# KiCad board Ultrasonic Sound Steering - Control Rev. A.kicad_pcb
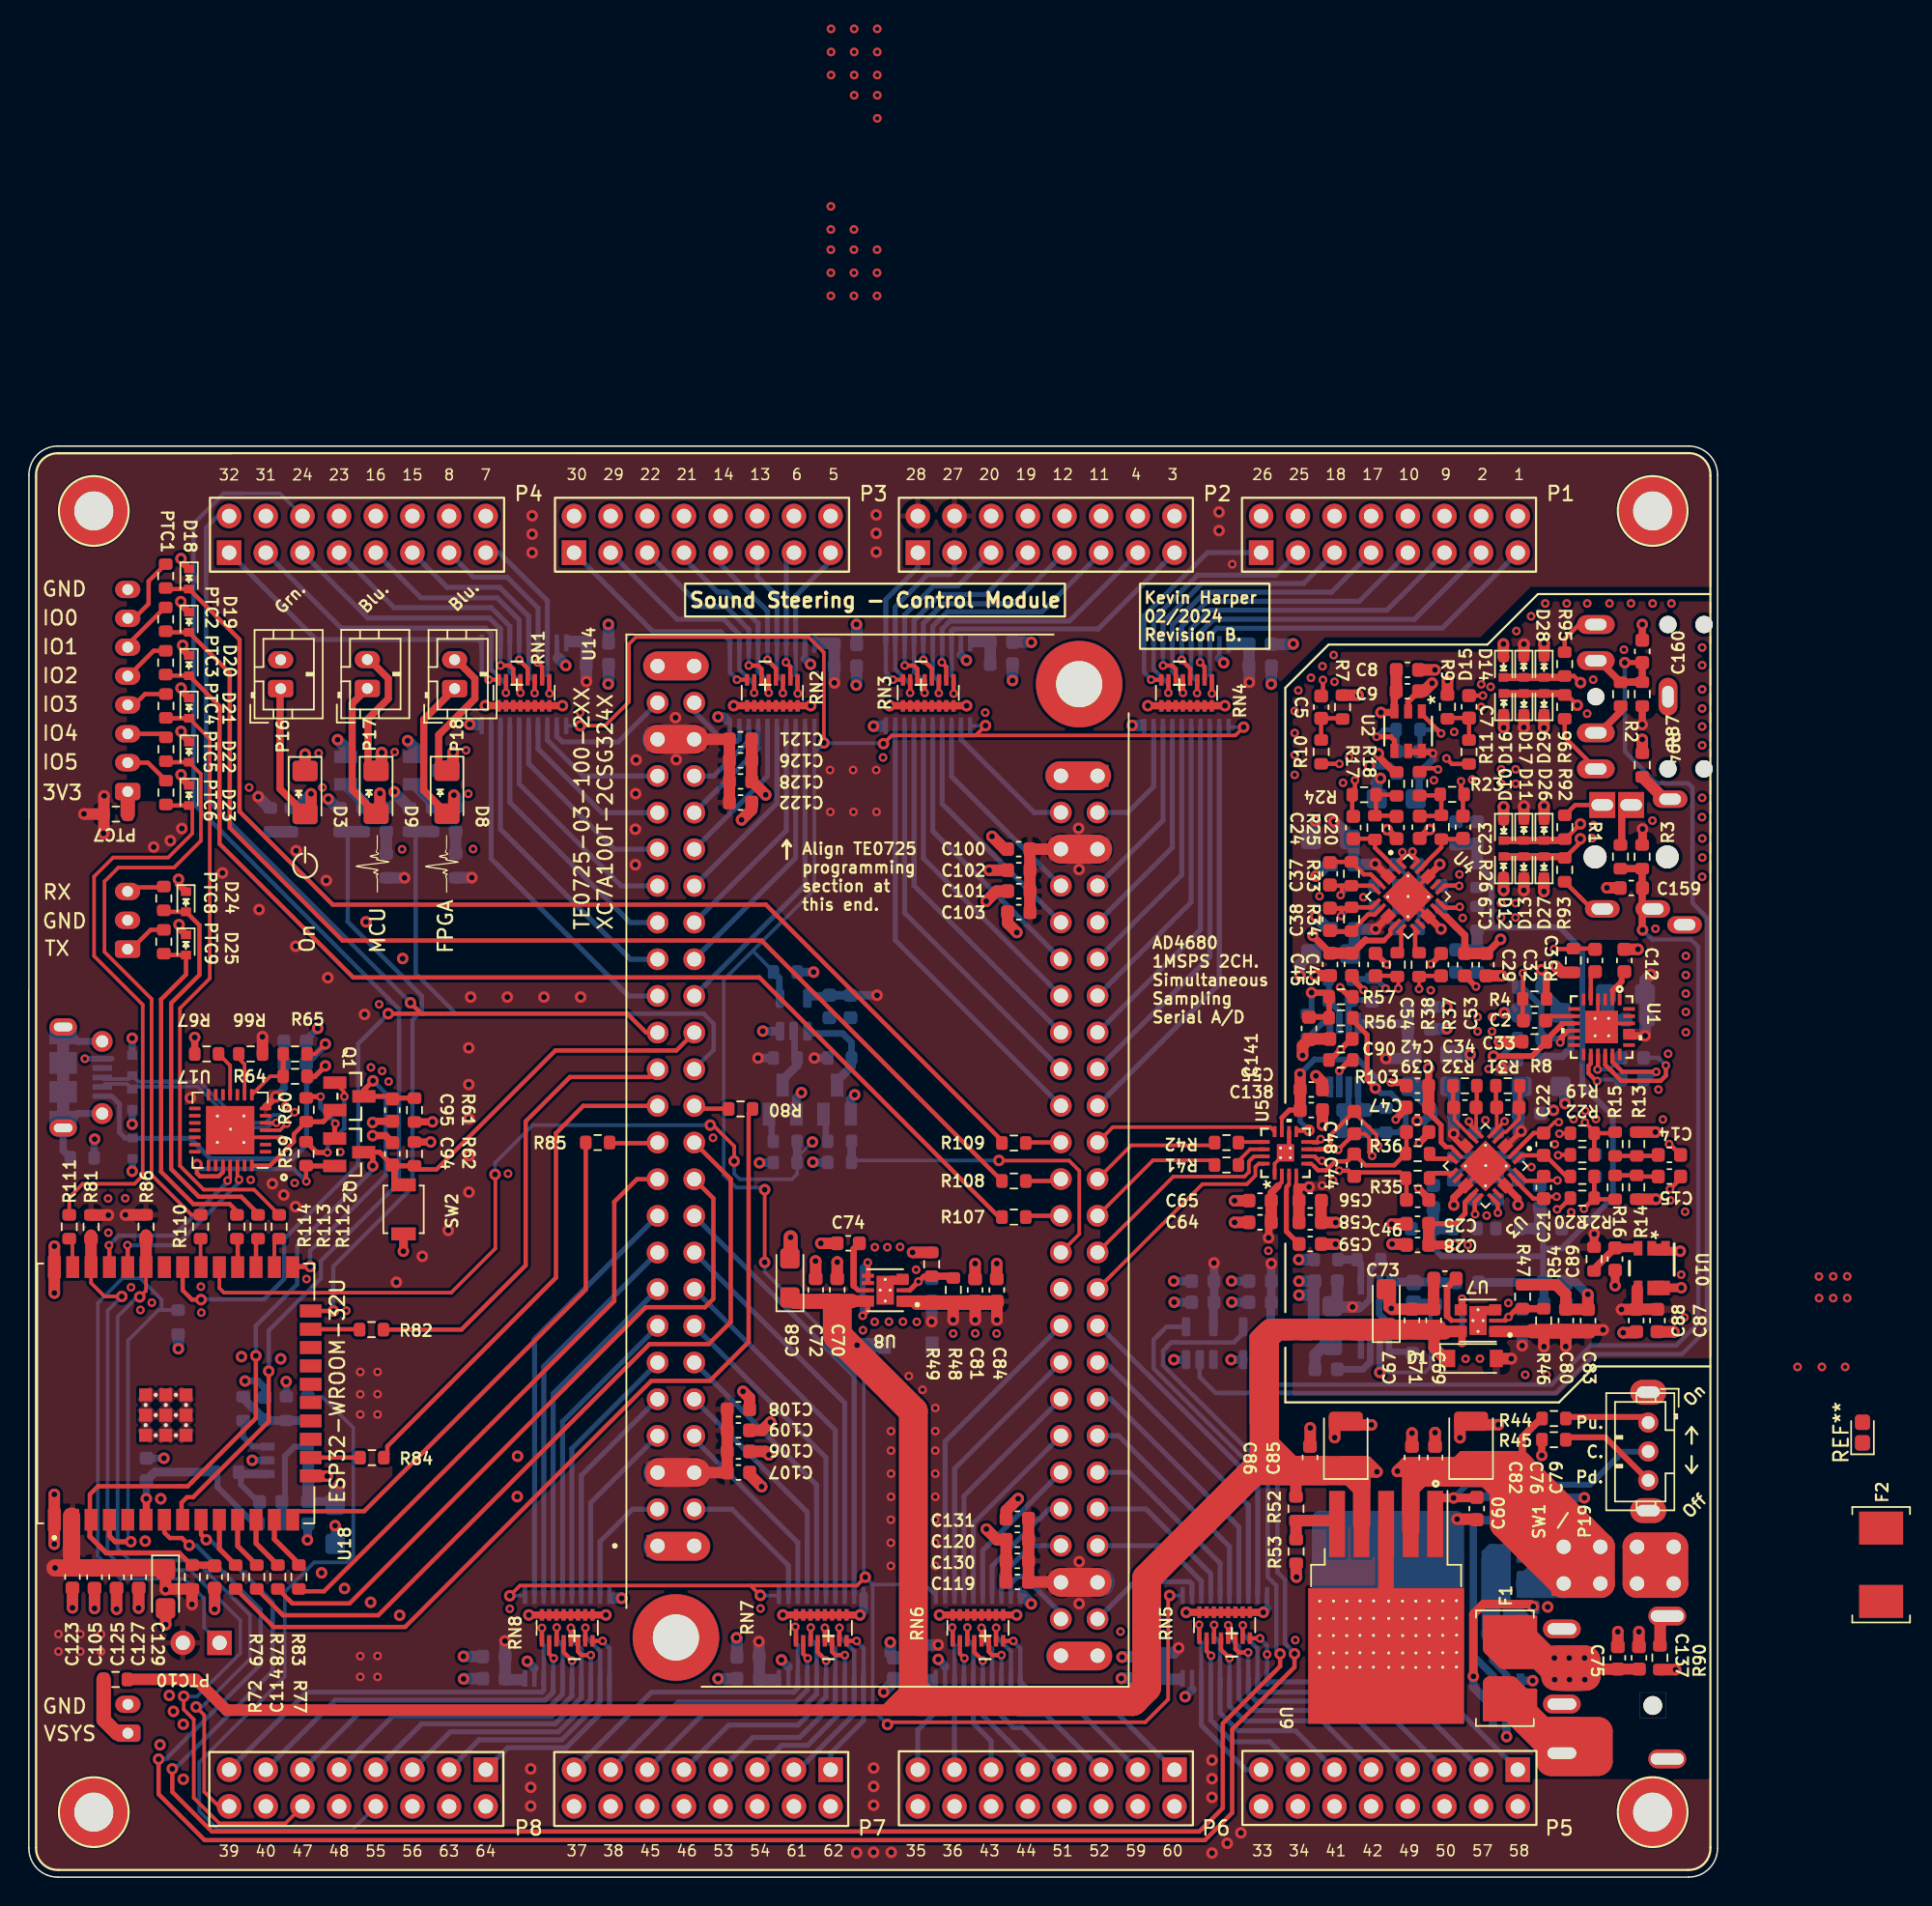
[diagram p0: board, top side]
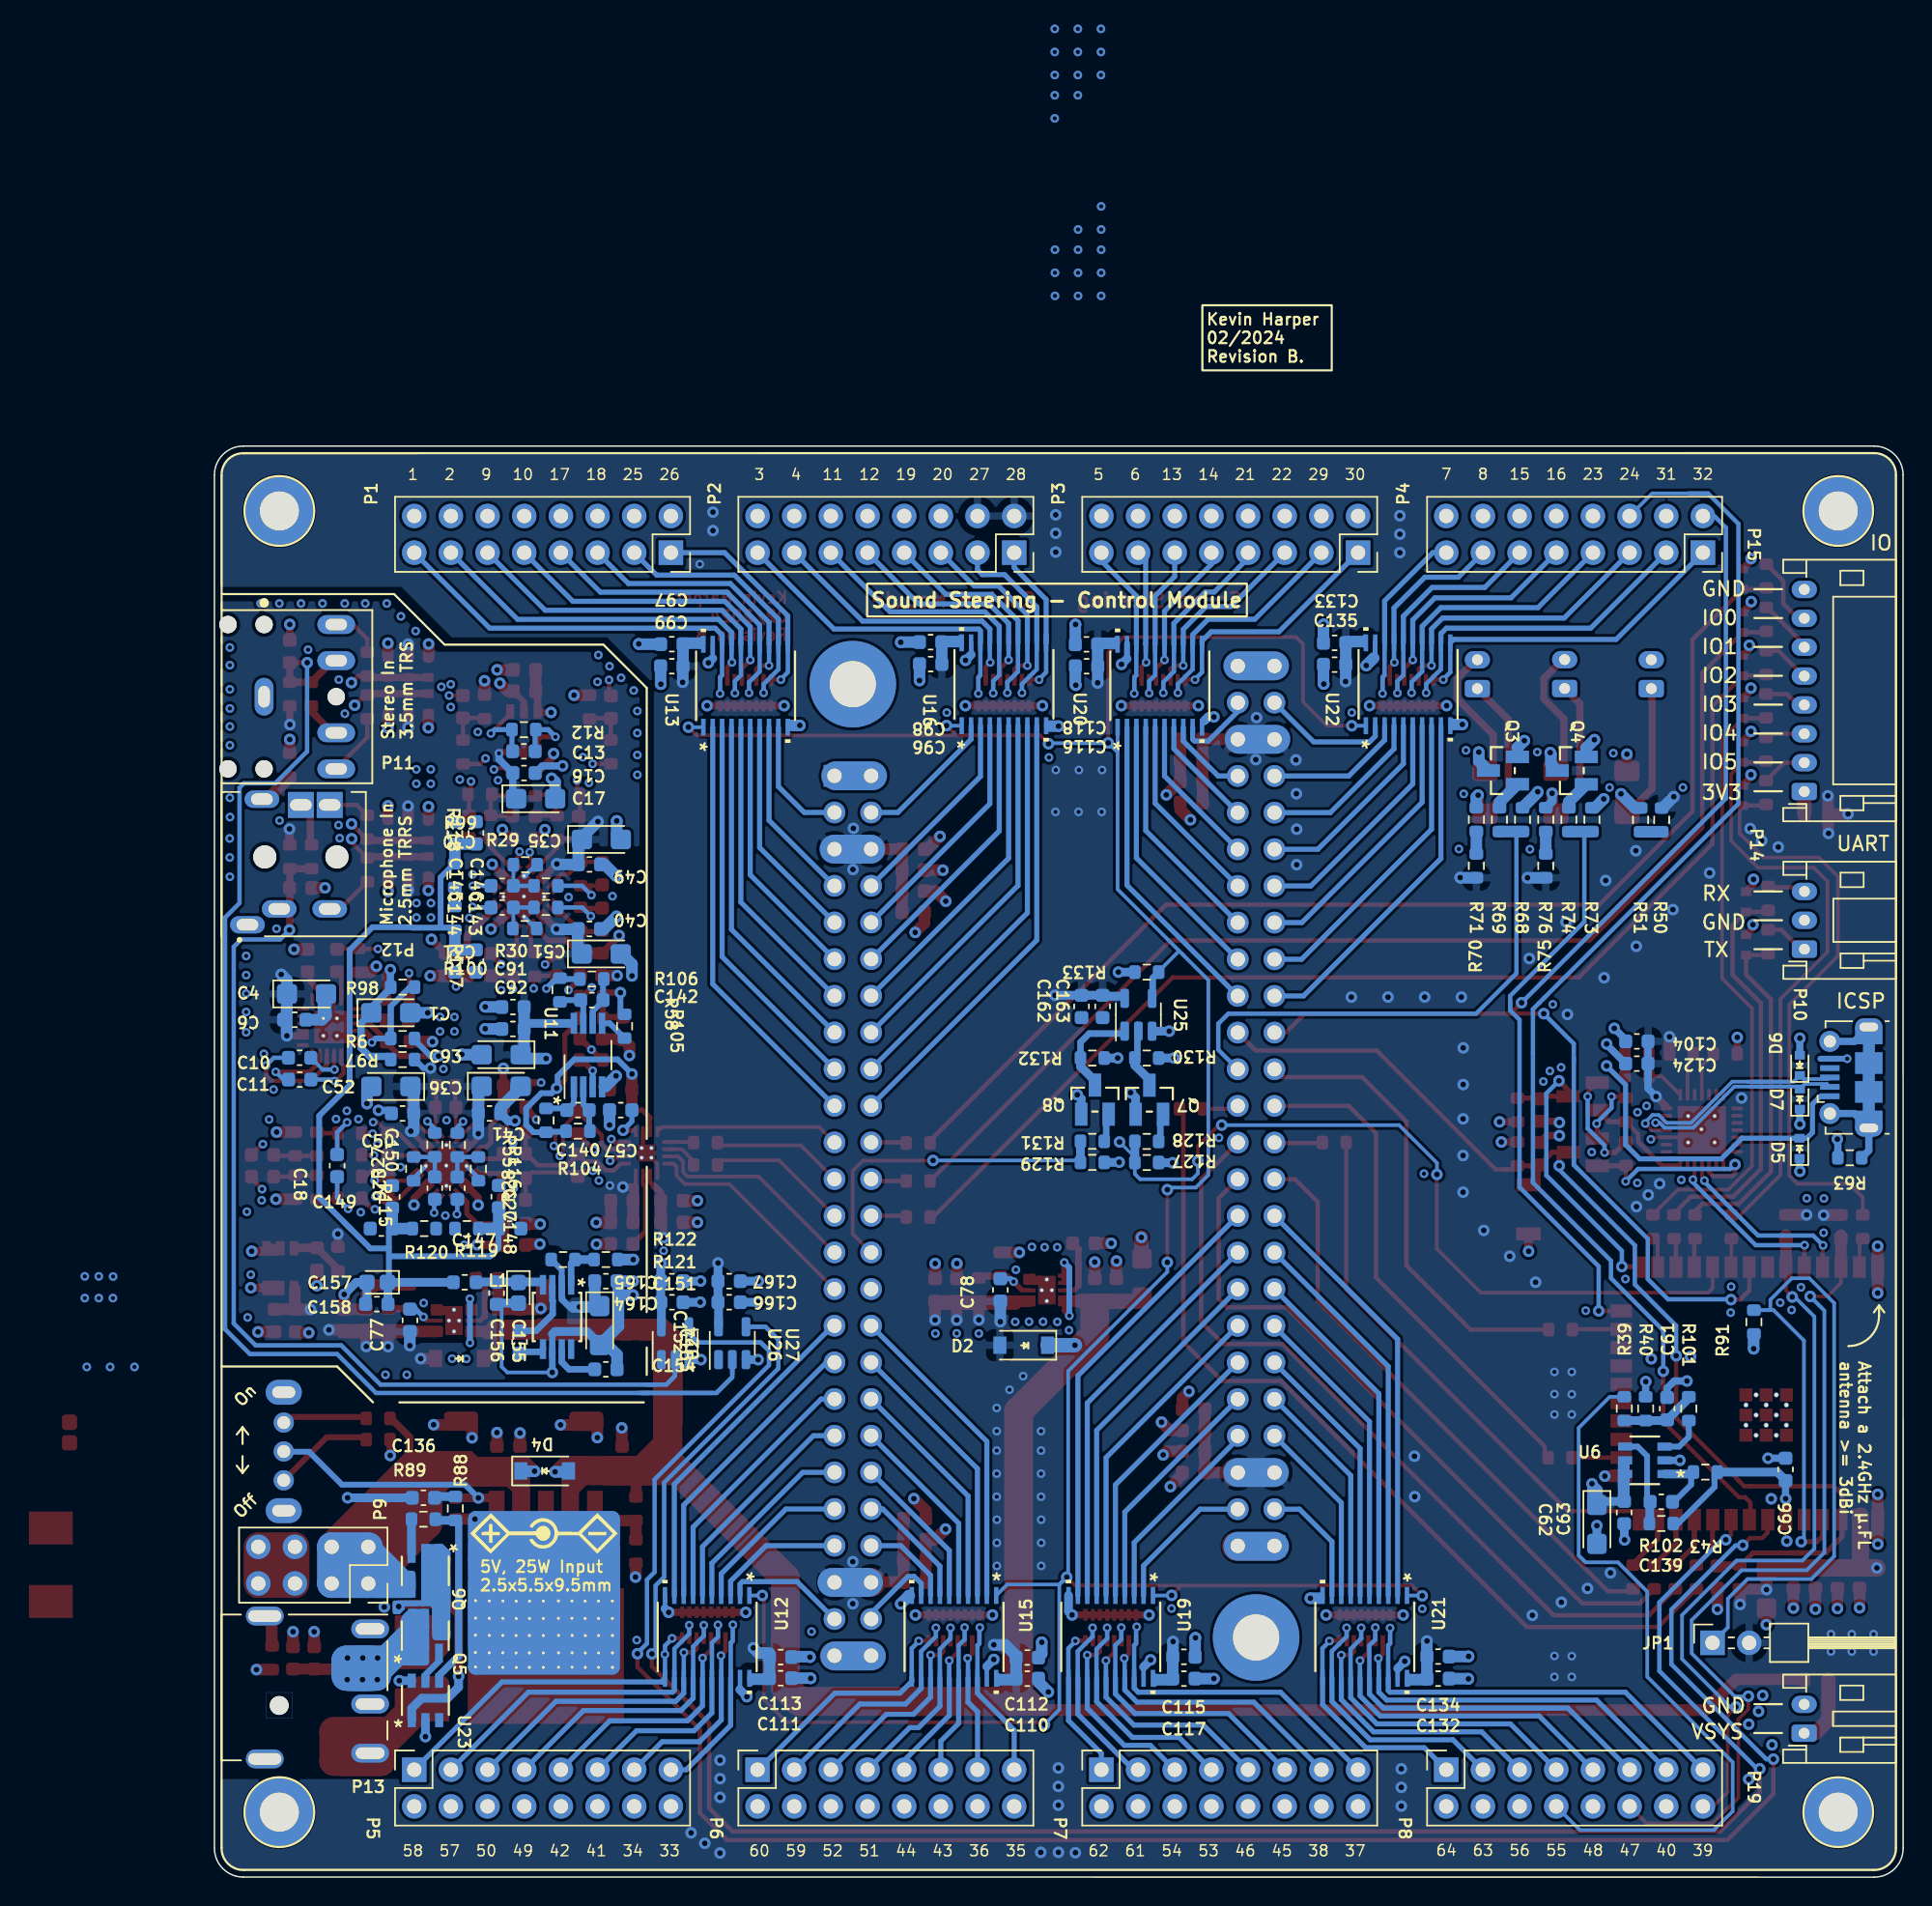
[diagram p1: board, bottom side, seen from below]

Outline 117 x 99.15 mm; copper layers: Top, In1.Cu, In2.Cu, Bottom. Coordinates in mm from the lower left corner of the outline.
Outline path: 0,2 0,97.15 arc(0.59,98.56) 2,99.15 115,99.15 arc(116.41,98.56) 117,97.15 117,2 arc(116.41,0.59) 115,0 2,0 arc(0.59,0.59) 0,2
Stack: Top 0.035mm / dielectric 0.14mm FR4 er 4.5 / In1.Cu 0.035mm / dielectric 1.16mm FR4 er 4.5 / In2.Cu 0.035mm / dielectric 0.14mm FR4 er 4.5 / Bottom 0.035mm

## Placement (name value [footprint] x y rotation side)
C1  10µF  [CP_EIA-3216-18_Kemet-A]  104.78 59.88 180 bottom
C2  68nF  [C_0603_1608Metric]  104.32 59.35 0 top
C3  68nF  [C_0603_1608Metric]  108.51 63.51 270 top
C4  10µF  [CP_EIA-3216-18_Kemet-A]  110.62 61.19 180 bottom
C5  2.2µF  [C_0603_1608Metric]  89.53 81.06 270 top
C6  100nF  [C_0603_1608Metric]  111.43 59.4 180 bottom
C7  2.2µF  [C_0603_1608Metric]  99.78 81.08 270 top
C8  100nF  [C_0603_1608Metric]  95.51 83.64 0 top
C9  10nF  [C_0603_1608Metric]  95.51 82.16 0 top
C10  100pF  [C_0603_1608Metric]  111.09 56.77 0 bottom
C11  100pF  [C_0603_1608Metric]  111.09 55.26 0 bottom
C12  10µF  [C_0603_1608Metric]  110.54 63.51 270 top
C13  1nF  [C_0603_1608Metric]  95.56 78 0 bottom
C14  680nF  [C_0603_1608Metric]  113.66 50.04 180 top
C15  680nF  [C_0603_1608Metric]  113.66 48.54 180 top
C16  100nF  [C_0603_1608Metric]  95.55 76.49 180 bottom
C17  10µF  [CP_EIA-3216-18_Kemet-A]  94.74 74.71 180 bottom
C18  680pF  [C_0603_1608Metric]  108.5 49.29 90 bottom
C19  1.5nF  [C_0603_1608Metric]  96.36 72.74 90 top
C20  1.5nF  [C_0603_1608Metric]  94.76 72.72 270 top
C21  470pF  [C_0603_1608Metric]  104.95 47.78 90 top
C22  470pF  [C_0603_1608Metric]  104.95 50.78 90 top
C23  470pF  [C_0603_1608Metric]  99.36 72.74 90 top
C24  470pF  [C_0603_1608Metric]  91.76 72.72 270 top
C25  10nF  [C_0603_1608Metric]  96.21 45.27 180 top
C26  22µF  [C_0603_1608Metric]  101.73 47.74 90 bottom
C27  22µF  [C_0603_1608Metric]  100.17 47.73 90 bottom
C28  100nF  [C_0603_1608Metric]  96.21 43.8 180 top
C29  10nF  [C_0603_1608Metric]  99.49 63.22 270 top
C30  22µF  [C_0603_1608Metric]  97.06 68.68 180 bottom
C31  22µF  [C_0603_1608Metric]  97.06 67.18 180 bottom
C32  100nF  [C_0603_1608Metric]  100.98 63.22 270 top
C33  470pF  [C_0603_1608Metric]  102.47 53.33 0 top
C34  470pF  [C_0603_1608Metric]  99.49 53.33 0 top
C35  10µF  [CP_EIA-3216-18_Kemet-A]  90.19 71.89 180 bottom
C36  10µF  [CP_EIA-3216-18_Kemet-A]  97.13 54.79 180 bottom
C37  150pF  [C_0603_1608Metric]  90.14 69.52 90 top
C38  150pF  [C_0603_1608Metric]  90.14 66.36 90 top
C39  10nF  [C_0603_1608Metric]  96.2 53.33 180 top
C40  100nF  [C_0603_1608Metric]  91.02 65.69 180 bottom
C41  100nF  [C_0603_1608Metric]  97.94 52.91 180 bottom
C42  100nF  [C_0603_1608Metric]  96.2 54.83 180 top
C43  10nF  [C_0603_1608Metric]  91.66 63.24 270 top
C44  330pF  [C_0603_1608Metric]  91.82 49.32 270 top
C45  100nF  [C_0603_1608Metric]  90.15 63.24 270 top
C46  68pF  [C_0603_1608Metric]  96.22 46.92 0 top
C47  68pF  [C_0603_1608Metric]  96.22 51.62 180 top
C48  330pF  [C_0603_1608Metric]  91.83 52.28 270 top
C49  100nF  [C_0603_1608Metric]  91.01 70.16 180 bottom
C50  100nF  [C_0603_1608Metric]  103.96 52.91 0 bottom
C51  10µF  [CP_EIA-3216-18_Kemet-A]  90.2 63.96 180 bottom
C52  10µF  [CP_EIA-3216-18_Kemet-A]  104.77 54.78 0 bottom
C53  68pF  [C_0603_1608Metric]  97.84 63.22 90 top
C54  68pF  [C_0603_1608Metric]  93.3 63.22 270 top
C55  1µF  [C_0603_1608Metric]  88.85 54.57 180 top
C56  10µF  [C_0603_1608Metric]  88.77 46.87 180 top
C57  100nF  [C_0603_1608Metric]  88.85 53.14 180 bottom
C58  100nF  [C_0603_1608Metric]  88.77 45.37 180 top
C59  1µF  [C_0603_1608Metric]  88.77 43.87 180 top
C60  10nF  [C_0603_1608Metric]  100.31 25.53 90 top
C61  100nF  [C_0603_1608Metric]  16.35 32.46 270 bottom
C62  10µF  [CP_EIA-3216-18_Kemet-A]  21.22 24.44 270 bottom
C63  100nF  [C_0603_1608Metric]  19.33 25.26 270 bottom
C64  100nF  [C_0603_1608Metric]  85.3 45.37 0 top
C65  10µF  [C_0603_1608Metric]  85.3 46.87 0 top
C66  100nF  [C_0603_1608Metric]  8.15 28.25 270 bottom
C67  47µF  [CP_EIA-3216-10_Kemet-I]  94.04 39.38 90 top
C68  47µF  [CP_EIA-3216-10_Kemet-I]  52.73 41.51 90 top
C69  22µF  [C_0603_1608Metric]  97.32 38.57 270 top
C70  22µF  [C_0603_1608Metric]  56 40.69 270 top
C71  22µF  [C_0603_1608Metric]  95.82 38.57 270 top
C72  22µF  [C_0603_1608Metric]  54.51 40.69 270 top
C73  1µF  [C_0603_1608Metric]  98.11 41.47 0 top
C74  1µF  [C_0603_1608Metric]  56.76 43.91 0 top
C75  10uF  [C_0603_1608Metric]  110.09 15.19 270 top
C76  100nF  [C_0603_1608Metric]  97.42 29.07 270 top
C77  10nF  [C_0603_1608Metric]  103.45 38.58 270 bottom
C78  10nF  [C_0603_1608Metric]  62.55 40.68 270 bottom
C79  100µF  [CP_EIA-3528-21_Kemet-B]  99.92 30.05 90 top
C80  47µF  [C_0603_1608Metric]  106.49 38.56 270 top
C81  47µF  [C_0603_1608Metric]  65.56 40.68 270 top
C82  47µF  [C_0603_1608Metric]  95.82 29.07 270 top
C83  47µF  [C_0603_1608Metric]  108.02 38.56 270 top
C84  47µF  [C_0603_1608Metric]  67.06 40.68 270 top
C85  100µF  [CP_EIA-3528-21_Kemet-B]  91.24 30.04 90 top
C86  47µF  [C_0603_1608Metric]  88.76 29.07 270 top
C87  1µF  [C_0603_1608Metric]  112.83 38.56 90 top
C88  100nF  [C_0603_1608Metric]  111.36 38.56 90 top
C89  100nF  [C_0603_1608Metric]  109.9 42.82 90 top
C90  100nF  [C_0603_1608Metric]  90.9 58.07 0 top
C91  100nF  [C_0603_1608Metric]  96.31 60.28 0 bottom
C92  100nF  [C_0603_1608Metric]  96.31 58.76 0 bottom
C93  10µF  [CP_EIA-3216-18_Kemet-A]  97.13 56.98 0 bottom
C94  100nF  [C_0603_1608Metric]  25.19 50.11 270 top
C95  100nF  [C_0603_1608Metric]  25.19 53.14 270 top
C96  10µF  [C_0603_1608Metric]  67.37 84.04 180 bottom
C97  10µF  [C_0603_1608Metric]  85.31 83.89 180 bottom
C98  100nF  [C_0603_1608Metric]  67.38 85.56 180 bottom
C99  100nF  [C_0603_1608Metric]  85.31 85.42 180 bottom
C100  100nF  [C_0603_1608Metric]  68.58 71.22 0 top
C101  22µF  [C_0603_1608Metric]  68.58 68.31 0 top
C102  100nF  [C_0603_1608Metric]  68.58 69.76 0 top
C103  22µF  [C_0603_1608Metric]  68.58 66.85 0 top
C104  10µF  [C_0603_1608Metric]  18.45 57.9 180 bottom
C105  100nF  [C_0603_1608Metric]  4.55 20.79 90 top
C106  100nF  [C_0603_1608Metric]  49.16 29.49 180 top
C107  100nF  [C_0603_1608Metric]  49.16 28.03 180 top
C108  22µF  [C_0603_1608Metric]  49.16 32.41 180 top
C109  22µF  [C_0603_1608Metric]  49.16 30.95 180 top
C110  100nF  [C_0603_1608Metric]  60.68 13.75 0 bottom
C111  100nF  [C_0603_1608Metric]  77.77 13.78 0 bottom
C112  10µF  [C_0603_1608Metric]  60.68 15.21 0 bottom
C113  10µF  [C_0603_1608Metric]  77.77 15.24 0 bottom
C114  100nF  [C_0603_1608Metric]  12.87 20.79 90 top
C115  10µF  [C_0603_1608Metric]  49.83 15.26 0 bottom
C116  10µF  [C_0603_1608Metric]  56.57 83.89 180 bottom
C117  100nF  [C_0603_1608Metric]  49.83 13.75 0 bottom
C118  100nF  [C_0603_1608Metric]  56.58 85.41 180 bottom
C119  100nF  [C_0603_1608Metric]  68.48 20.45 0 top
C120  22µF  [C_0603_1608Metric]  68.48 23.37 0 top
C121  100nF  [C_0603_1608Metric]  49.31 78.83 180 top
C122  22µF  [C_0603_1608Metric]  49.31 74.45 180 top
C123  100nF  [C_0603_1608Metric]  3.02 20.8 90 top
C124  100nF  [C_0603_1608Metric]  18.45 56.36 180 bottom
C125  22µF  [C_0603_1608Metric]  6.08 20.79 90 top
C126  100nF  [C_0603_1608Metric]  49.31 77.37 180 top
C127  22µF  [C_0603_1608Metric]  7.61 20.79 90 top
C128  22µF  [C_0603_1608Metric]  49.31 75.91 180 top
C129  47µF  [CP_EIA-3216-18_Kemet-A]  9.47 19.97 270 top
C130  100nF  [C_0603_1608Metric]  68.48 21.91 0 top
C131  22µF  [C_0603_1608Metric]  68.48 24.83 0 top
C132  100nF  [C_0603_1608Metric]  32.22 13.75 0 bottom
C133  100nF  [C_0603_1608Metric]  39.39 85.51 180 bottom
C134  10µF  [C_0603_1608Metric]  32.22 15.28 0 bottom
C135  10µF  [C_0603_1608Metric]  39.39 84 180 bottom
C136  10nF  [C_0603_1608Metric]  102.52 26.28 0 bottom
C137  10uF  [C_0603_1608Metric]  111.55 15.19 270 top
C138  100nF  [C_0603_1608Metric]  88.85 53.14 180 top
C139  100nF  [C_0603_1608Metric]  16.75 26 0 bottom
C140  100nF  [C_0603_1608Metric]  91.81 53.14 180 bottom
C141  100nF  [C_0603_1608Metric]  88.69 58.8 90 top
C142  33nF  [C_0603_1608Metric]  90.85 60.76 180 bottom
C143  100nF  [C_0603_1608Metric]  98.88 63.47 270 bottom
C144  10nF  [C_0603_1608Metric]  100.34 63.47 270 bottom
C145  100nF  [C_0603_1608Metric]  100.34 72.35 90 bottom
C146  10nF  [C_0603_1608Metric]  98.88 72.35 90 bottom
C147  100nF  [C_0603_1608Metric]  96.54 44.93 180 bottom
C148  10nF  [C_0603_1608Metric]  97.3 47.15 90 bottom
C149  100nF  [C_0603_1608Metric]  105.43 44.93 0 bottom
C150  10nF  [C_0603_1608Metric]  104.68 47.13 90 bottom
C151  100nF  [C_0603_1608Metric]  89.87 41.29 180 bottom
C152  10µF  [CP_EIA-3216-18_Kemet-A]  90.31 38.21 270 bottom
C153  100nF  [C_0603_1608Metric]  95.86 37.07 270 bottom
C154  100nF  [C_0603_1608Metric]  89.88 35.18 180 bottom
C155  10µF  [CP_EIA-1608-10_AVX-L]  95.94 40.48 270 bottom
C156  100nF  [C_0603_1608Metric]  97.45 40.46 270 bottom
C157  10µF  [CP_EIA-1608-10_AVX-L]  105.72 41.21 0 bottom
C158  100nF  [C_0603_1608Metric]  105.75 39.7 0 bottom
C159  100nF  [C_0603_1608Metric]  111.02 68.53 0 top
C160  100nF  [C_0603_1608Metric]  111.78 84.92 90 top
C162  470pF  [C_0603_1608Metric]  56.92 60.32 90 bottom
C163  470pF  [C_0603_1608Metric]  55.46 60.32 90 bottom
C164  100nF  [C_0603_1608Metric]  85.3 39.83 180 bottom
C165  100nF  [C_0603_1608Metric]  85.3 41.29 180 bottom
C166  100nF  [C_0603_1608Metric]  81.33 39.83 180 bottom
C167  100nF  [C_0603_1608Metric]  81.33 41.29 180 bottom
D1  MBR0520L  [D_SOD-123]  100.01 35.93 0 top
D2  MBR0520L  [D_SOD-123]  60.93 36.85 0 bottom
D3  LED  [LED_1206_3216Metric_Pad1.42x1.75mm_HandSolder]  19.14 75.15 270 top
D4  MBR0520L  [D_SOD-123]  94.12 28.14 180 bottom
D5  LESD5D5.0CT1G  [D_SOD-523]  7.18 50.49 90 bottom
D6  LESD5D5.0CT1G  [D_SOD-523]  7.16 56.24 270 bottom
D7  LESD5D5.0CT1G  [D_SOD-523]  7.16 53.9 90 bottom
D8  LED  [LED_1206_3216Metric_Pad1.42x1.75mm_HandSolder]  28.97 75.17 270 top
D9  LED  [LED_1206_3216Metric_Pad1.42x1.75mm_HandSolder]  24.06 75.16 270 top
D10  1N4149  [D_SOD-523]  102.17 72.52 90 top
D11  1N4149  [D_SOD-523]  103.57 72.52 270 top
D12  1N4149  [D_SOD-523]  102.17 70 270 top
D13  1N4149  [D_SOD-523]  103.57 70 90 top
D14  1N4149  [D_SOD-523]  103.57 83.82 270 top
D15  1N4149  [D_SOD-523]  102.17 83.82 90 top
D16  1N4149  [D_SOD-523]  103.57 81.3 90 top
D17  1N4149  [D_SOD-523]  102.17 81.3 270 top
D18  D_TVS  [D_SOD-523]  11.1 89.94 270 top
D19  D_TVS  [D_SOD-523]  11.1 86.94 270 top
D20  D_TVS  [D_SOD-523]  11.1 83.94 270 top
D21  D_TVS  [D_SOD-523]  11.1 80.99 270 top
D22  D_TVS  [D_SOD-523]  11.1 77.94 270 top
D23  D_TVS  [D_SOD-523]  11.1 74.94 270 top
D24  D_TVS  [D_SOD-523]  10.89 67.58 270 top
D25  D_TVS  [D_SOD-523]  10.89 64.58 270 top
D26  D_TVS  [D_SOD-523]  104.97 72.52 270 top
D27  D_TVS  [D_SOD-523]  104.97 70 90 top
D28  D_TVS  [D_SOD-523]  104.97 83.82 270 top
D29  D_TVS  [D_SOD-523]  104.97 81.3 90 top
F1  015702.5DR  [0157Series_LTF]  102.26 14.47 90 top
F2  015702.5DR  [0157Series_LTF]  128.33 21.64 90 top
G***  LOGO  [hfghfgh]  19.12 70.29 0 top
G***#2  LOGO  [hb4x4!!]  23.87 70.2 90 top
G***#3  LOGO  [hb4x4!!]  28.67 70.19 90 top
G***#4  LOGO  [centerpos12]  94.16 23.77 0 bottom
H1  M2.5  [MountingHole_2.7mm_M2.5_DIN965_Pad]  112.5 94.65 0 top
H2  M2.5  [MountingHole_2.7mm_M2.5_DIN965_Pad]  4.5 94.65 0 top
H3  M2.5  [MountingHole_2.7mm_M2.5_DIN965_Pad]  112.5 4.5 0 top
H4  M2.5  [MountingHole_2.7mm_M2.5_DIN965_Pad]  4.5 4.5 0 top
JP1  Conn_01x02  [PinHeader_2x01_P2.54mm_Horizontal]  13.21 16.23 180 bottom
L1  L_Ferrite  [L_0603_1608Metric]  99.66 41.21 0 bottom
NOREF  -  [unnamed]  93.16 15.54 0 top
NOREF#2  -  [unnamed]  91.3 15.53 0 top
NOREF#3  -  [unnamed]  94.15 67.92 0 top
NOREF#4  -  [unnamed#2]  94.21 19.13 0 top
NOREF#5  -  [unnamed#2]  97.01 14.54 0 top
NOREF#6  -  [unnamed#2]  91.3 16.74 0 top
NOREF#7  -  [unnamed]  91.3 14.53 0 top
NOREF#8  -  [unnamed]  97.95 17.93 0 top
NOREF#9  -  [unnamed#3]  14.9 50.9 0 top
NOREF#10  -  [unnamed]  98.92 15.56 0 top
NOREF#11  -  [unnamed#2]  92.23 19.14 0 top
NOREF#12  -  [unnamed#2]  97.95 14.54 0 top
NOREF#13  -  [unnamed]  96.97 67.92 0 top
NOREF#14  -  [unnamed]  95.56 67.94 0 top
NOREF#15  -  [unnamed]  90.38 15.53 0 top
NOREF#16  -  [unnamed#4]  14.9 52.73 0 top
NOREF#17  -  [unnamed#2]  89.43 19.13 0 top
NOREF#18  -  [unnamed]  87.4 49.84 0 top
NOREF#19  -  [unnamed#2]  89.42 16.74 0 top
NOREF#20  -  [unnamed#2]  98.91 19.15 0 top
NOREF#21  -  [unnamed]  109.45 58.29 0 top
NOREF#22  -  [unnamed#2]  91.31 19.13 0 top
NOREF#23  -  [unnamed]  91.31 17.92 0 top
NOREF#24  -  [unnamed]  86.72 50.52 0 top
NOREF#25  -  [unnamed]  89.43 17.92 0 top
NOREF#26  -  [unnamed]  100.92 50.72 0 top
NOREF#27  -  [unnamed#2]  97.02 16.75 0 top
NOREF#28  -  [unnamed]  97.01 17.93 0 top
NOREF#29  -  [unnamed]  89.42 14.53 0 top
NOREF#30  -  [unnamed]  98.91 17.95 0 top
NOREF#31  -  [unnamed]  92.22 15.54 0 top
NOREF#32  -  [unnamed#2]  98.92 16.76 0 top
NOREF#33  -  [unnamed]  97.02 15.54 0 top
NOREF#34  -  [unnamed]  92.23 17.93 0 top
NOREF#35  -  [unnamed]  95.18 15.53 0 top
NOREF#36  -  [unnamed#2]  96.09 14.53 0 top
NOREF#37  -  [unnamed]  95.18 14.53 0 top
NOREF#38  -  [unnamed]  99.52 49.27 0 top
NOREF#39  -  [unnamed]  13.06 52.73 0 top
NOREF#40  -  [unnamed]  102.35 49.27 0 top
NOREF#41  -  [unnamed#2]  97.01 19.14 0 top
NOREF#42  -  [unnamed#2]  109.45 59.5 0 top
NOREF#43  -  [unnamed#2]  13.06 50.9 0 top
NOREF#44  -  [unnamed#2]  98.91 14.55 0 top
NOREF#45  -  [unnamed#2]  93.17 19.14 0 top
NOREF#46  -  [unnamed]  90.39 17.92 0 top
NOREF#47  -  [unnamed]  95.17 17.92 0 top
NOREF#48  -  [unnamed]  95.55 66.54 0 top
NOREF#49  -  [unnamed]  86.72 49.84 0 top
NOREF#50  -  [unnamed]  100.93 49.29 0 top
NOREF#51  -  [unnamed#2]  92.22 16.75 0 top
NOREF#52  -  [unnamed]  94.22 14.53 0 top
NOREF#53  -  [unnamed#2]  97.95 19.14 0 top
NOREF#54  -  [unnamed]  108.51 58.29 0 top
NOREF#55  -  [unnamed]  90.38 14.53 0 top
NOREF#56  -  [unnamed#2]  97.96 16.75 0 top
NOREF#57  -  [unnamed#2]  95.17 19.13 0 top
NOREF#58  -  [unnamed#2]  90.38 16.74 0 top
NOREF#59  -  [unnamed#2]  90.39 19.13 0 top
NOREF#60  -  [unnamed]  93.16 14.54 0 top
NOREF#61  -  [unnamed]  92.22 14.54 0 top
NOREF#62  -  [unnamed]  87.4 50.52 0 top
NOREF#63  -  [unnamed]  97.96 15.54 0 top
NOREF#64  -  [unnamed#2]  93.16 16.75 0 top
NOREF#65  -  [unnamed#2]  96.1 16.74 0 top
NOREF#66  -  [unnamed]  96.09 17.92 0 top
NOREF#67  -  [unnamed]  100.92 47.89 0 top
NOREF#68  -  [unnamed]  94.22 15.53 0 top
NOREF#69  -  [unnamed]  96.1 15.53 0 top
NOREF#70  -  [unnamed#2]  95.18 16.74 0 top
NOREF#71  -  [unnamed#2]  94.22 16.74 0 top
NOREF#72  -  [unnamed]  93.17 17.93 0 top
NOREF#73  -  [unnamed]  94.21 17.92 0 top
NOREF#74  -  [unnamed]  89.42 15.53 0 top
NOREF#75  -  [unnamed#2]  108.51 59.5 0 top
NOREF#76  -  [unnamed#5]  13.98 51.82 0 top
NOREF#77  -  [unnamed]  95.55 69.37 0 top
NOREF#78  -  [unnamed#2]  96.09 19.13 0 top
P1  Conn_02x08_Odd_Even  [PinSocket_2x08_P2.54mm_Vertical]  85.37 91.76 270 bottom
P2  Conn_02x08_Odd_Even  [PinSocket_2x08_P2.54mm_Vertical]  61.59 91.76 270 bottom
P3  Conn_02x08_Odd_Even  [PinSocket_2x08_P2.54mm_Vertical]  37.77 91.76 270 bottom
P4  Conn_02x08_Odd_Even  [PinSocket_2x08_P2.54mm_Vertical]  13.87 91.76 270 bottom
P5  Conn_02x08_Odd_Even  [PinSocket_2x08_P2.54mm_Vertical]  103.15 7.44 90 bottom
P6  Conn_02x08_Odd_Even  [PinSocket_2x08_P2.54mm_Vertical]  79.37 7.44 90 bottom
P7  Conn_02x08_Odd_Even  [PinSocket_2x08_P2.54mm_Vertical]  55.55 7.44 90 bottom
P8  Conn_02x08_Odd_Even  [PinSocket_2x08_P2.54mm_Vertical]  31.65 7.44 90 bottom
P9  Conn_02x04  [PinSocket_2x04_P2.54mm_Vertical]  106.34 20.35 270 bottom
P10  USB_Micro-B_Molex-105017  [USB_Micro-B_Molex-105017-0001_Alt]  3.62 55.4 90 bottom
P11  SJ1-3525NG  [CUI_SJ1-3525NG]  113.56 81.78 180 bottom
P12  SJ1-42516  [CUI_SJ1-42516]  114.71 65.98 180 bottom
P13  PJ-051BH  [CUI_PJ-051BH]  110.76 13.14 0 bottom
P14  JST PH S3B  [JST_PH_S3B-PH-K_1x03_P2.00mm_Horizontal]  6.84 64.29 90 bottom
P15  JST PH S8B  [JST_PH_S8B-PH-K_1x08_P2.00mm_Horizontal]  6.85 75.21 90 bottom
P16  JST PH B2B  [JST_PH_B2B-PH-K_1x02_P2.00mm_Vertical]  17.45 82.34 90 top
P17  JST PH B2B  [JST_PH_B2B-PH-K_1x02_P2.00mm_Vertical]  23.45 82.35 90 top
P18  JST PH B2B  [JST_PH_B2B-PH-K_1x02_P2.00mm_Vertical]  29.5 82.34 90 top
P19  JST PH B2B  [JST_PH_B3B-PH-K_1x03_P2.00mm_Vertical]  112.19 31.47 270 top
P19#2  JST PH B2B  [JST_PH_S2B-PH-K_1x02_P2.00mm_Horizontal]  6.86 9.97 90 bottom
PTC1  Polyfuse  [R_0603_1608Metric]  9.48 90.14 270 top
PTC2  Polyfuse  [R_0603_1608Metric]  9.48 87.14 270 top
PTC3  Polyfuse  [R_0603_1608Metric]  9.48 84.14 270 top
PTC4  Polyfuse  [R_0603_1608Metric]  9.5 81.14 270 top
PTC5  Polyfuse  [R_0603_1608Metric]  9.5 78.14 270 top
PTC6  Polyfuse  [R_0603_1608Metric]  9.5 75.14 270 top
PTC7  Polyfuse  [R_0603_1608Metric]  6.02 73.65 180 top
PTC8  Polyfuse  [R_0603_1608Metric]  9.35 67.81 270 top
PTC9  Polyfuse  [R_0603_1608Metric]  9.35 64.81 270 top
PTC10  Polyfuse  [R_0603_1608Metric]  6 13.69 180 top
Q1  DMN65D8L  [DMP3099L-7_DIO]  22.21 54.09 270 top
Q2  DMN65D8L  [DMP3099L-7_DIO]  22.2 50.22 270 top
Q3  DMN65D8L  [DMP3099L-7_DIO]  27.73 76.67 90 bottom
Q4  DMN65D8L  [DMP3099L-7_DIO]  22.95 76.66 90 bottom
Q5  IRFTS9342TRPBF  [PG-TSOP-6-903_INF]  102.39 16.73 90 bottom
Q6  IRFTS8342TRPBF  [TSOP-6_IRFTS_INF]  102.39 21.22 270 bottom
Q7  DMN65D8L  [DMP3099L-7_DIO]  52.22 53.86 180 bottom
Q8  DMN65D8L  [DMP3099L-7_DIO]  55.99 53.87 180 bottom
R1  10kΩ  [R_0603_1608Metric]  111.77 70.69 270 top
R2  100kΩ  [R_0603_1608Metric]  111.78 81.96 270 top
R3  0Ω  [R_0603_1608Metric]  110.27 70.69 90 top
R4  1kΩ  [R_0603_1608Metric]  104.32 60.85 0 top
R5  1kΩ  [R_0603_1608Metric]  107.01 63.51 90 top
R6  0Ω  [R_0603_1608Metric]  103.96 58.1 0 bottom
R7  10kΩ  [R_0603_1608Metric]  91.01 81.06 270 top
R8  68Ω  [R_0603_1608Metric]  104.32 57.88 0 top
R9  10kΩ  [R_0603_1608Metric]  98.28 81.08 270 top
R10  2kΩ  [R_0603_1608Metric]  89.53 77.96 90 top
R11  2kΩ  [R_0603_1608Metric]  99.77 77.95 90 top
R12  1.2kΩ  [R_0603_1608Metric]  95.56 79.5 180 bottom
R13  10kΩ  [R_0603_1608Metric]  111.4 50.8 90 top
R14  10kΩ  [R_0603_1608Metric]  111.4 47.79 90 top